# Allegro board ZDRK-36-DE3-A02-20190729.brd (continued)
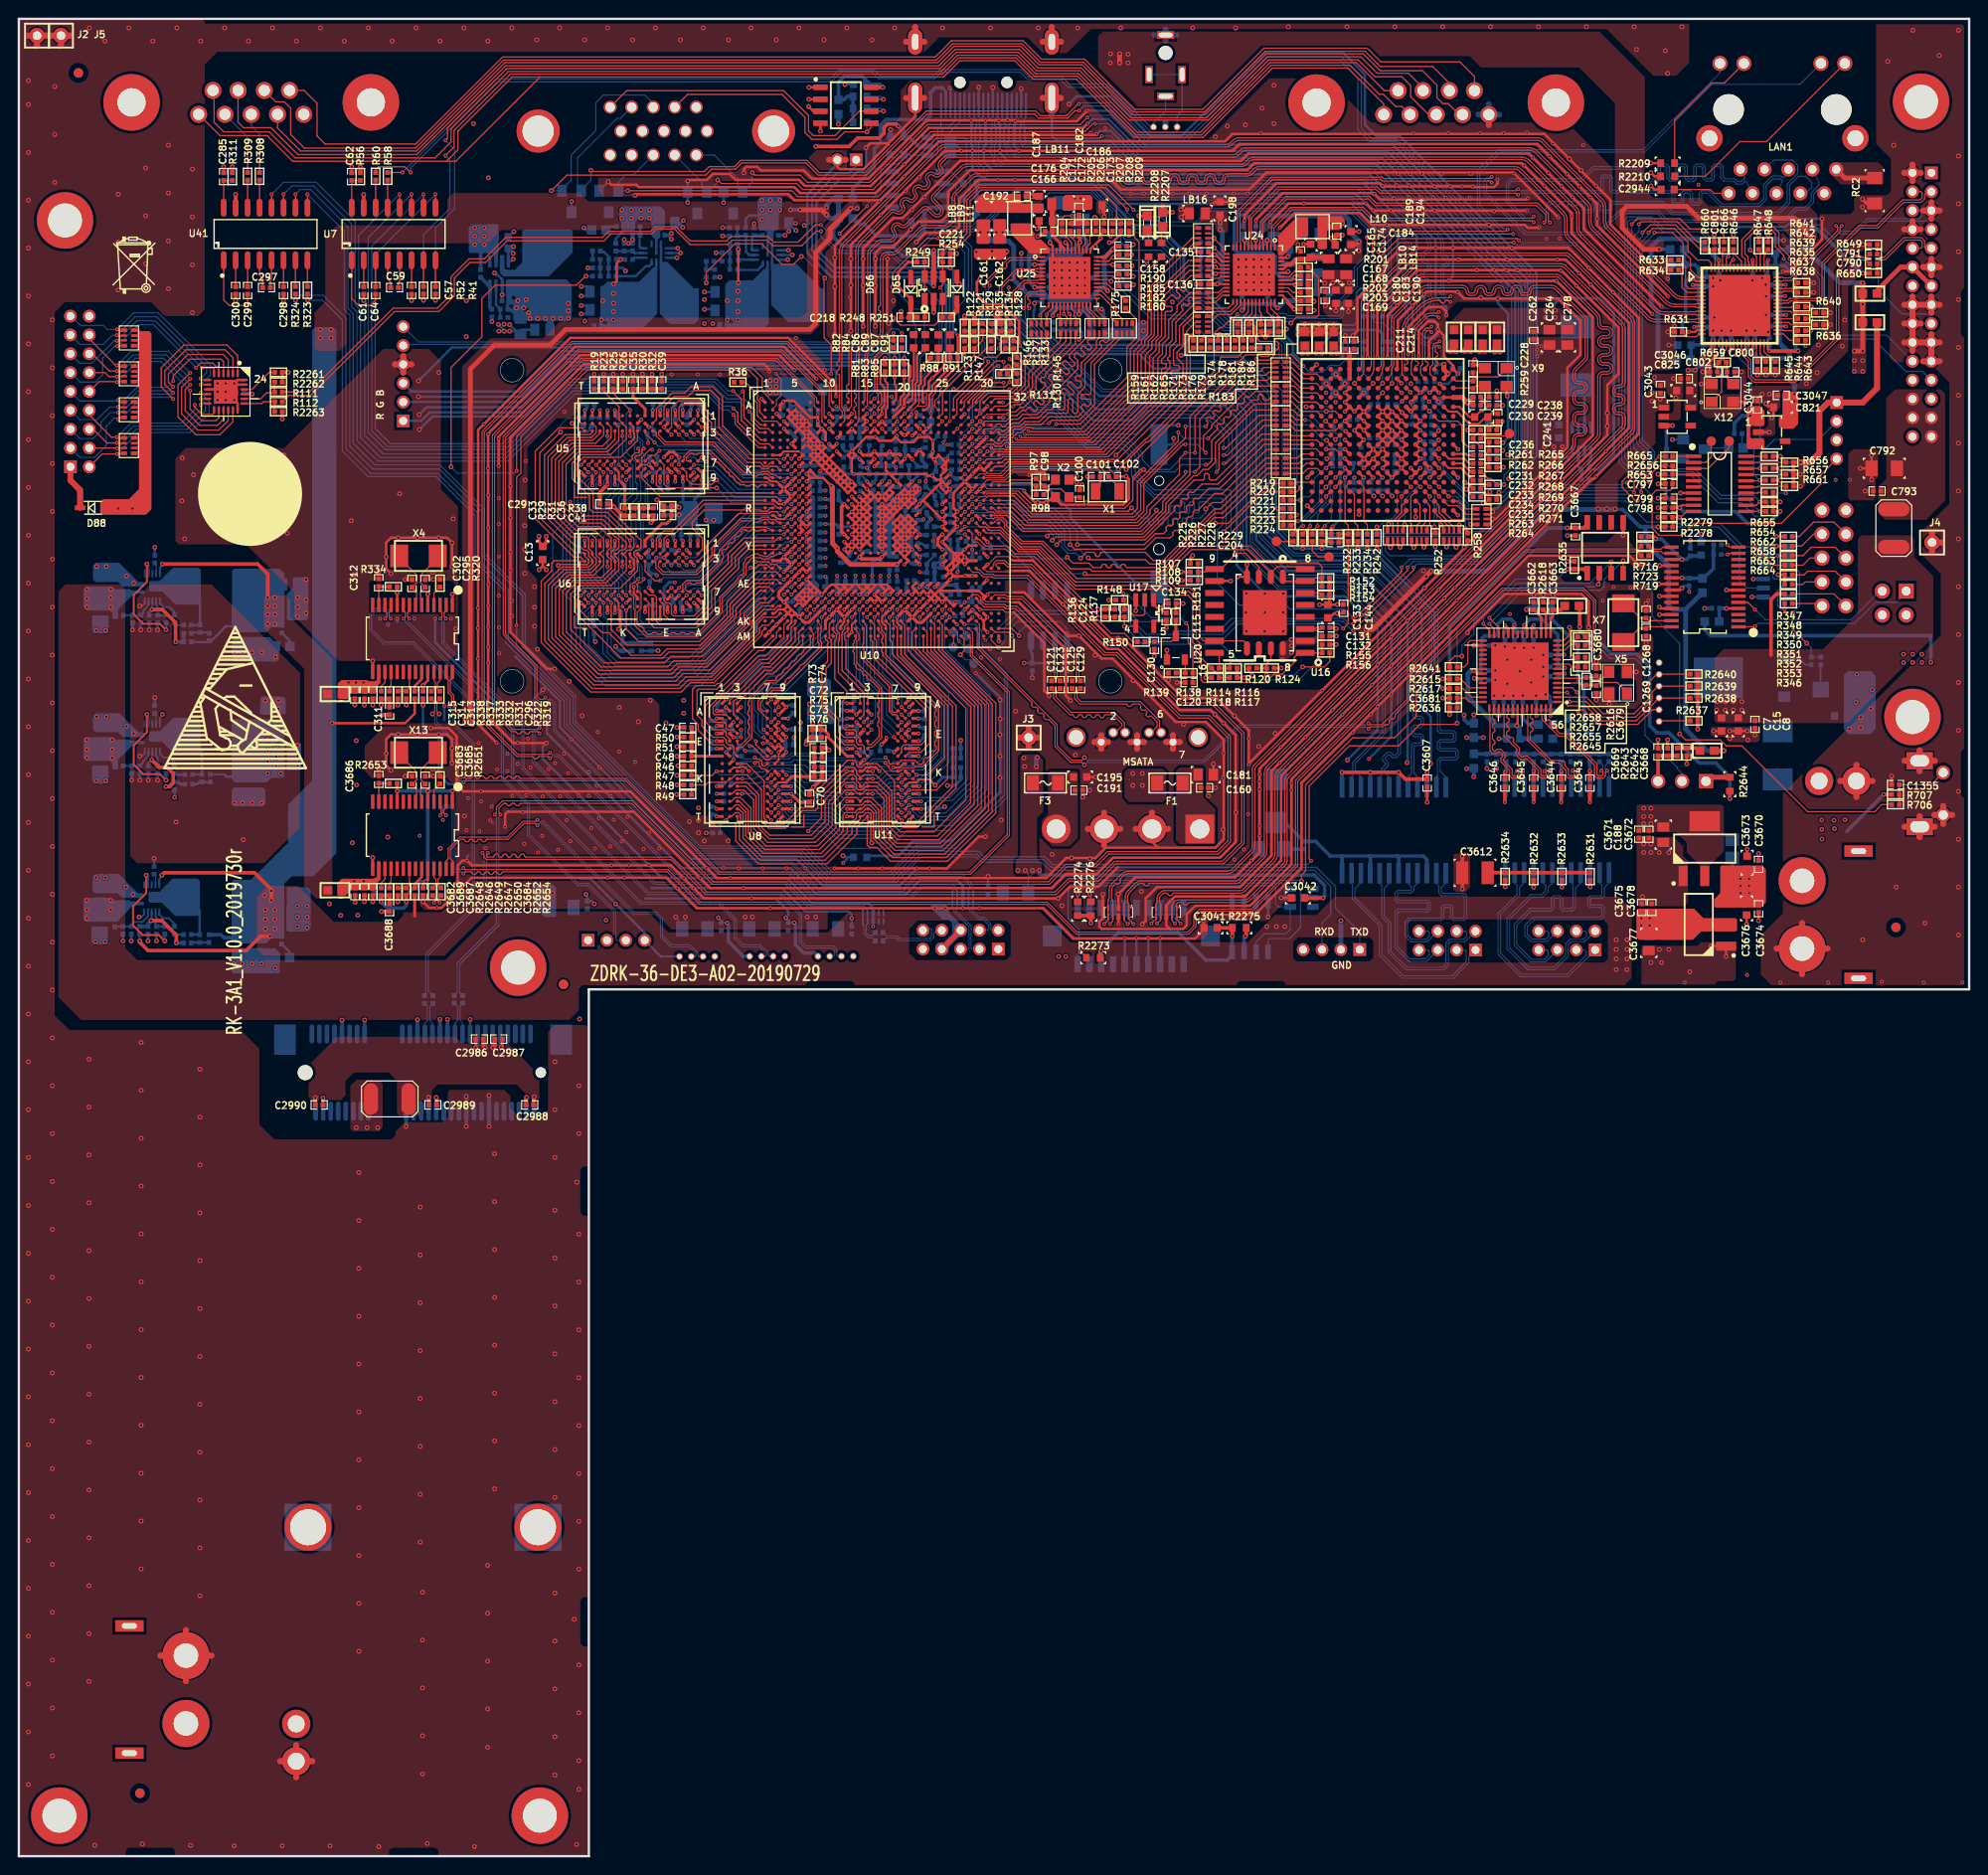
[diagram p0: board, top side]
## Routing (per net, layer and track width the routed paths; a pad name or vN(x,y) marks a point on that pad's centre or on a via; arc(x,y) is an arc through that point) (continued)
GPIO13_5: length 107.5
  TOP w0.127: U10.A27 100.01,154.52 100.66,155.17 100.72,155.17 103.69,158.14 v1(103.99,158.14) ; R111.1 30.84,155.4 39.73,164.29 44.43,164.29 45.87,165.73 45.87,167.61 47.77,169.52 49.4,169.52 51.69,171.81 61.95,171.81 62.59,172.44 67.06,172.44 67.56,172.95 69.72,172.95 71.25,171.42 75.13,171.42 75.62,171.91 79.5,171.91 80.11,171.3 82.7,171.3 84.53,173.13 v1(85.14,173.13)
  BOTTOM w0.127: v1(85.14,173.13) 85.72,172.54 85.72,171.68 87,170.41 92.46,170.41 93.57,169.29 97.05,169.29 98.04,170.28 98.04,171.55 98.6,172.11 99.82,172.11 101.14,170.79 101.14,165.61 101.93,164.82 101.93,161.7 102.84,160.78 102.84,159.79 103.76,158.88 103.76,158.37 v1(103.99,158.14)
GPIO13_6: length 107.3
  TOP w0.127: v1(85.14,172.47) 84.66,172.47 83.11,170.92 80.01,170.92 79.43,171.5 75.69,171.5 75.23,171.04 71.25,171.04 69.6,172.69 67.69,172.69 67.18,172.19 62.87,172.19 62.1,171.42 51.82,171.42 49.53,169.14 47.88,169.14 46.23,167.49 46.23,165.58 44.58,163.93 39.88,163.93 30.96,155.02 28.63,155.02 R112.1 ; U10.B27 100.02,153.49 100.36,153.82 100.36,154.41 102.77,156.82 v1(103.23,156.82)
  BOTTOM w0.127: v1(85.14,172.47) 85.14,171.88 86.92,170.1 92.38,170.1 93.47,169.01 97.28,169.01 98.43,170.15 98.43,171.32 98.93,171.83 99.54,171.83 100.79,170.59 100.79,165.51 100.86,165.43 100.86,162.26 102.49,160.63 102.49,159.72 103.43,158.78 103.43,157.02 v1(103.23,156.82)
GPIO13_7: length 131.2
  TOP w0.127: v2(144.02,171.81) 143.69,171.48 143.69,170.1 144.15,169.65 144.4,169.65 146.43,171.68 159.03,171.68 v1(159.21,171.5) ; v1(118.31,174.75) 115.7,177.37 101.83,177.37 100.33,175.87 100.33,172.54 v1(99.19,171.4) ; v1(173.1,145.77) 173.35,146.02 173.35,146.84 174.07,147.55 R2656.1 ; U10.B26 99.21,154.74 102.9,158.42 v1(102.9,158.62)
  BOTTOM w0.114: v1(173.1,145.77) 172.47,145.77 170.15,148.08 170.15,166.67 165.58,171.25 159.46,171.25 v1(159.21,171.5) ; v1(118.31,174.75) 118.47,174.6 119.15,174.6 119.77,173.98 121.22,173.98 121.74,173.46 124.97,173.46 126.39,174.88 141.3,174.88 144.02,172.16 v2(144.02,171.81)
  BOTTOM w0.127: v1(102.9,158.62) 102.23,159.28 102.23,160.38 99.8,162.81 99.8,164.54 100.41,165.15 100.41,170.18 v1(99.19,171.4)
HDMI_5V_DET: length 129.6
  TOP w0.127: v2(143.13,171.81) 143.12,171.79 143.12,169.76 143.69,169.19 144.53,169.19 146.58,171.25 v1(158.67,171.25) ; U1492.10 177.03,142.72 176.4,142.09 v2(176.25,142.09) R2279.1 R2278.2 ; R249.2 95.33,170.18 96.11,170.97 99.36,170.97 100.63,172.24 100.63,175.77 101.96,177.09 115.32,177.09 v1(117.63,174.78)
  TOP w0.254: R249.2 94.41,169.19 93.34,168.12 93.34,166.57 94.67,165.25 D66.1
  TOP w0.508: D66.1 94.67,163.53 C218.1 R248.2
  BOTTOM w0.114: v1(117.63,174.78) 117.63,174.47 118.53,173.57 121.04,173.57 121.59,173.02 124.92,173.02 126.52,174.62 141.15,174.62 143.12,172.66 143.12,171.82 v2(143.13,171.81) ; v2(176.25,142.09) 174.73,143.61 173.74,143.61 173.1,144.25 173.1,144.63 169.85,147.88 169.85,166.5 165.4,170.94 158.98,170.94 v1(158.67,171.25)
HDMI_7842_5V: length 217.2
  TOP w0.127: v2(88.27,174.85) 88.95,174.85 v2(88.98,174.88)
  TOP w0.381: v2(128.8,97.64) R2275.1 C3041.2 ; R2274.1 R2276.1 v2(113.79,99.03) ; v2(114.88,96.06) 114.78,95.96 R2273.1
  TOP w0.508: v2(48.13,120.12) v2(48.13,120.75) 48.13,120.98 47.93,121.18 47.93,157.84 50.47,160.38 56.39,160.38 58.04,162.03 83.95,162.03 84.58,162.66 84.58,170.21 86.08,171.7 86.08,172.67 v2(88.27,174.85)
  BOTTOM w0.127: LB143.1 88.52,175.11 v2(88.27,174.85) 88.27,174.09 LB144.1
  BOTTOM w0.254: 98.13,187.55 98.39,187.3 J49.18
  BOTTOM w0.305: R1120.1 101.8,177.42 114.1,177.42 118.41,173.1 120.85,173.1 123.65,170.31 123.65,166.47 124.28,165.84 126.04,165.84 128.73,163.14 131.5,163.14 132.13,162.51 133.25,162.51 135.23,160.53 135.23,159.54 135.92,158.85 140.16,158.85 140.47,159.17 140.47,160.57 140.21,160.83 140.21,161.65 140.54,161.98 144.32,161.98 144.75,161.54 R236.1
  BOTTOM w0.381: C2378.2 96.08,174.41 96.65,174.98 U58.8 ; C2378.2 100.97,173.46 101.7,174.19 R1119.1 R1121.1 R1120.1 ; C2378.2 96.08,172.5 95.53,171.96 91.03,171.96 89.79,173.2 89.15,173.2 LB144.1 ; LB143.1 88.52,176.99 90.81,179.27 90.81,181.2 91.44,181.84 91.44,183.69 92.05,184.3 96.32,184.3 96.77,184.76 96.77,187.17 97.28,187.68 98.01,187.68 98.13,187.55 ; 115.44,96.75 116.71,98.02 123.06,98.02 125.98,95.1 128.27,95.1 128.78,95.61 U107.8 128.78,97.61 v2(128.8,97.64) ; R236.1 R241.1
  vias: v2(47.4,120.73) v2(110.36,95.48) v2(111.12,95.48)
HDMI_7842_HPD: length 211.2
  TOP w0.127: v1(131.34,158.9) 131.47,158.78 132.69,158.78 133.27,159.36 135.08,159.36 136.3,158.14 v1(136.35,158.14) ; v2(136.14,103.48) 136.14,104.11 136.58,104.55 136.58,113.69 141.58,118.69 146.02,118.69 148.34,121.01 148.34,123.67 v2(150.62,125.96) ; v2(112.65,95.99) 112.67,95.99 R2273.2 ; v1(90.03,175.12) v1(87.12,172.21)
  BOTTOM w0.127: J49.19 97.89,183.59 97.54,183.24 97.54,180.7 97.35,180.51 U75.4 94.02,180.51 R2211.1 93.95,180.31 93.17,179.53 91.85,179.53 91.49,179.17 91.49,176.78 90.03,175.32 v1(90.03,175.12) ; R235.1 R2277.1 141.17,160.73 141.05,160.6 141.05,159.08 140.18,158.22 139.14,158.22 138.4,157.48 137.01,157.48 v1(136.35,158.14) 135.81,158.14 134.75,159.21 134.75,160.5 133.17,162.08 131.98,162.08 131.29,162.76 128.57,162.76 125.88,165.46 124.05,165.46 123.27,166.24 123.27,170.03 120.57,172.72 118.26,172.72 113.92,177.06 105.97,177.06 102.49,173.58 101.75,173.58 101.14,172.97 97.66,172.97 95.1,170.41 93.78,170.41 92.76,171.42 87.91,171.42 v1(87.12,172.21) ; v1(131.34,158.9) 131.34,158.24 134.11,155.47 134.11,140.61 135.25,139.47 144.3,139.47 144.68,139.09 144.68,138.23 150.62,132.28 v2(150.62,125.96) ; J130.20 112.38,95.72 v2(112.65,95.99) 112.52,96.11 112.52,98.32 111.38,99.47 111.38,102.46 112.5,103.58 136.04,103.58 v2(136.14,103.48)
HDMI_7842_TX0+: length 72.3
  TOP w0.114: v1(149.94,162.34) 149.86,162.26 arc(149.78,162.21) 149.69,162.19 149.57,162.19 arc(149.41,162.16) 149.27,162.07 149.16,161.95 arc(149.03,161.77) 148.99,161.55 148.99,158.39 arc(148.98,158.34) 148.95,158.3 148.83,158.18 arc(148.8,158.14) 148.79,158.09 148.79,157.49 arc(148.83,157.29) 148.94,157.13 U32.B13
  BOTTOM w0.114: J49.7 103.89,184.69 arc(103.88,184.65) 103.85,184.61 103.61,184.37 arc(103.59,184.34) 103.58,184.29 103.58,183.69 arc(103.59,183.65) 103.61,183.61 103.68,183.54 arc(103.71,183.5) 103.72,183.46 U62.8 U62.1 103.72,181.89 arc(103.7,181.81) 103.65,181.74 103.63,181.72 arc(103.59,181.65) 103.57,181.56 103.57,180.5 arc(103.58,180.45) 103.61,180.41 104.39,179.63 arc(104.43,179.6) 104.48,179.59 114.45,179.59 arc(114.84,179.51) 115.17,179.29 117.23,177.23 arc(117.33,177.16) 117.45,177.14 141.9,177.14 arc(142.3,177.06) 142.65,176.83 146.94,172.54 arc(147.06,172.36) 147.1,172.14 147.1,171.61 arc(147.2,171.36) 147.45,171.26 arc(147.77,171.13) 147.9,170.81 147.9,170.44 arc(147.79,170.16) 147.5,170.04 147.45,170.04 arc(147.1,169.7) 147.45,169.36 arc(147.79,169.22) 147.93,168.87 147.93,168.56 arc(147.8,168.26) 147.5,168.14 147.45,168.14 arc(147.2,168.04) 147.1,167.8 147.1,166.62 arc(147.13,166.5) 147.19,166.4 148.52,165.07 arc(148.65,164.89) 148.69,164.67 148.69,162.94 arc(148.71,162.82) 148.78,162.72 149.26,162.24 arc(149.36,162.18) 149.48,162.15 149.63,162.15 arc(149.74,162.18) 149.84,162.24 v1(149.94,162.34)
HDMI_7842_TX0-: length 72.3
  TOP w0.114: v1(149.94,161.73) 149.83,161.85 arc(149.74,161.9) 149.64,161.93 149.57,161.93 arc(149.51,161.91) 149.46,161.88 149.34,161.76 arc(149.28,161.67) 149.25,161.55 149.25,158.76 arc(149.3,158.65) 149.42,158.6 arc(149.53,158.55) 149.58,158.44 149.58,158.31 arc(149.53,158.19) 149.42,158.14 arc(149.3,158.1) 149.25,157.98 U32.A13
  BOTTOM w0.114: v1(149.94,161.73) 149.86,161.82 arc(149.78,161.87) 149.69,161.89 149.48,161.89 arc(149.26,161.93) 149.07,162.05 148.59,162.54 arc(148.47,162.72) 148.42,162.94 148.42,164.67 arc(148.4,164.79) 148.34,164.88 147.01,166.22 arc(146.88,166.4) 146.84,166.62 146.84,167.8 arc(147.02,168.23) 147.45,168.4 147.5,168.4 arc(147.62,168.45) 147.66,168.56 147.66,168.87 arc(147.6,169.03) 147.45,169.09 arc(146.84,169.7) 147.45,170.31 147.5,170.31 arc(147.6,170.35) 147.64,170.44 147.64,170.81 arc(147.58,170.94) 147.45,171 arc(147.02,171.17) 146.84,171.61 146.84,172.14 arc(146.81,172.25) 146.75,172.35 142.46,176.64 arc(142.2,176.81) 141.9,176.87 117.45,176.87 arc(117.23,176.92) 117.04,177.04 114.98,179.1 arc(114.73,179.27) 114.45,179.32 104.48,179.32 arc(104.33,179.35) 104.2,179.44 104.09,179.55 arc(103.97,179.6) 103.86,179.55 103.84,179.54 arc(103.71,179.48) 103.57,179.54 103.52,179.59 arc(103.46,179.73) 103.52,179.86 arc(103.57,179.99) 103.52,180.13 103.42,180.22 arc(103.33,180.35) 103.3,180.5 103.3,180.65 arc(103.26,180.75) 103.16,180.79 arc(103.05,180.84) 103,180.95 103,181.08 arc(103.05,181.2) 103.16,181.24 arc(103.26,181.28) 103.3,181.38 103.3,181.64 arc(103.29,181.68) 103.27,181.72 103.25,181.74 arc(103.23,181.78) 103.22,181.82 U62.2 U62.7 103.22,183.46 arc(103.22,183.5) 103.25,183.54 103.27,183.56 arc(103.29,183.59) 103.3,183.64 103.3,184.18 arc(103.29,184.22) 103.27,184.26 102.92,184.61 arc(102.9,184.64) 102.89,184.69 J49.9
HDMI_7842_TX1+: length 72.3
  TOP w0.114: U32.B12 147.83,157.24 arc(147.8,157.29) 147.79,157.33 147.79,158.5 arc(147.8,158.55) 147.83,158.59 147.88,158.65 arc(147.91,158.69) 147.92,158.74 147.92,161.56 arc(148.03,162.12) 148.34,162.59 149.34,163.59 arc(149.52,163.71) 149.74,163.75 150.5,163.75 arc(150.58,163.77) 150.65,163.82 v1(150.72,163.89)
  BOTTOM w0.114: v1(150.72,163.89) 150.63,163.8 arc(150.54,163.74) 150.44,163.72 arc(150.24,163.81) 150.15,164.01 150.15,165.08 arc(150.11,165.27) 150.01,165.44 arc(149.9,165.6) 149.86,165.79 149.86,166.84 arc(149.68,167.28) 149.25,167.45 arc(149.14,167.5) 149.1,167.61 149.1,167.99 arc(149.14,168.09) 149.25,168.14 arc(149.86,168.75) 149.25,169.36 arc(149.17,169.39) 149.14,169.47 149.14,169.93 arc(149.17,170.01) 149.25,170.04 arc(149.68,170.22) 149.86,170.65 149.86,171.14 arc(149.8,171.45) 149.62,171.72 143.62,177.72 arc(143.19,178.01) 142.69,178.1 118.42,178.1 arc(117.82,178.22) 117.32,178.56 115.67,180.21 arc(115.27,180.48) 114.8,180.57 106.2,180.57 arc(105.91,180.63) 105.67,180.79 104.98,181.48 arc(104.95,181.52) 104.94,181.57 104.94,181.7 arc(104.95,181.77) 104.99,181.83 105.01,181.85 arc(105.05,181.91) 105.06,181.98 U63.3 U63.6 105.06,183.61 arc(105.09,183.74) 105.16,183.85 105.16,183.85 arc(105.33,184.1) 105.39,184.39 J49.4
HDMI_7842_TX1-: length 72.4
  TOP w0.114: v1(150.72,163.28) 150.58,163.42 150.57,163.42 150.5,163.49 149.74,163.49 arc(149.62,163.46) 149.53,163.4 148.53,162.41 arc(148.27,162.02) 148.18,161.56 148.18,158.84 arc(148.24,158.71) 148.36,158.66 arc(148.49,158.61) 148.54,158.48 148.54,158.38 arc(148.49,158.26) 148.36,158.2 148.34,158.2 arc(148.23,158.16) 148.18,158.05 148.18,157.89 U32.A12
  BOTTOM w0.114: v1(150.72,163.28) 150.63,163.38 arc(150.54,163.44) 150.44,163.46 arc(150.05,163.62) 149.89,164.01 149.89,164.12 arc(149.84,164.22) 149.75,164.26 arc(149.65,164.3) 149.61,164.4 149.61,164.58 arc(149.65,164.67) 149.75,164.72 arc(149.84,164.76) 149.89,164.86 149.89,165.08 arc(149.87,165.17) 149.82,165.25 arc(149.65,165.5) 149.59,165.79 149.59,166.84 arc(149.49,167.09) 149.25,167.19 arc(148.95,167.31) 148.83,167.61 148.83,167.99 arc(148.95,168.28) 149.25,168.41 arc(149.59,168.75) 149.25,169.09 arc(148.98,169.2) 148.87,169.47 148.87,169.93 arc(148.98,170.2) 149.25,170.31 arc(149.49,170.41) 149.59,170.65 149.59,171.14 149.43,171.53 arc(149.43,171.53) 149.42,171.54 143.43,177.53 arc(143.09,177.76) 142.69,177.84 118.42,177.84 arc(117.72,177.98) 117.13,178.37 115.48,180.02 arc(115.17,180.23) 114.8,180.3 106.2,180.3 arc(105.81,180.38) 105.48,180.6 arc(105.34,180.66) 105.21,180.6 arc(105.09,180.55) 104.97,180.6 104.89,180.68 arc(104.84,180.81) 104.89,180.93 arc(104.94,181.06) 104.89,181.19 104.79,181.29 arc(104.7,181.42) 104.67,181.57 104.67,181.72 arc(104.66,181.78) 104.63,181.83 104.61,181.85 arc(104.58,181.9) 104.56,181.96 U63.4 U63.5 104.56,183.27 arc(104.59,183.42) 104.68,183.54 104.72,183.58 arc(104.74,183.62) 104.75,183.66 104.75,183.8 arc(104.74,183.84) 104.72,183.88 104.66,183.94 arc(104.58,184.06) 104.55,184.21 104.55,184.25 arc(104.54,184.3) 104.51,184.34 104.5,184.35 arc(104.42,184.47) 104.39,184.62 J49.6
HDMI_7842_TX2+: length 72.4
  TOP w0.114: v1(151.97,165.54) 151.88,165.46 arc(151.81,165.41) 151.72,165.39 150.66,165.39 arc(149.56,165.17) 148.63,164.55 147.47,163.39 arc(146.98,162.66) 146.81,161.8 146.81,157.31 arc(146.82,157.26) 146.85,157.23 U32.B11
  BOTTOM w0.114: J49.1 106.89,184.56 arc(106.88,184.51) 106.85,184.48 106.69,184.31 arc(106.66,184.27) 106.65,184.23 106.65,183.75 arc(106.67,183.65) 106.73,183.57 arc(106.76,183.53) 106.76,183.49 U63.8 U63.1 106.76,182.07 arc(106.76,182.03) 106.73,181.99 106.71,181.97 arc(106.69,181.93) 106.68,181.89 106.68,181.85 arc(106.69,181.78) 106.73,181.72 106.76,181.69 arc(106.79,181.67) 106.84,181.66 115.28,181.66 arc(115.71,181.58) 116.07,181.34 117.96,179.44 arc(118.32,179.21) 118.74,179.12 143.18,179.12 arc(143.79,179) 144.31,178.65 150.75,172.21 arc(151.11,171.68) 151.23,171.04 151.23,169.93 arc(151.25,169.89) 151.3,169.87 arc(151.63,169.73) 151.77,169.4 151.77,169.12 arc(151.63,168.79) 151.3,168.65 arc(151.25,168.63) 151.23,168.59 151.23,165.79 arc(151.35,165.51) 151.63,165.39 151.72,165.39 arc(151.81,165.41) 151.88,165.46 v1(151.97,165.54)
HDMI_7842_TX2-: length 72.4
  TOP w0.114: U32.A11 147.11,157.96 arc(147.09,158) 147.08,158.04 147.08,158.16 arc(147.13,158.28) 147.25,158.33 147.25,158.33 arc(147.37,158.38) 147.42,158.5 147.42,158.62 arc(147.37,158.74) 147.25,158.79 arc(147.13,158.84) 147.08,158.96 147.08,161.8 arc(147.23,162.56) 147.66,163.21 148.81,164.36 arc(149.66,164.93) 150.66,165.13 150.8,165.13 arc(150.89,165.09) 150.93,165 arc(150.96,164.91) 151.05,164.87 151.26,164.87 arc(151.35,164.91) 151.38,165 arc(151.42,165.09) 151.51,165.13 151.65,165.13 arc(151.77,165.1) 151.87,165.04 v1(151.97,164.93)
  BOTTOM w0.114: J49.3 105.89,184.66 arc(105.9,184.62) 105.92,184.58 106.34,184.16 arc(106.37,184.12) 106.38,184.08 106.38,183.69 arc(106.37,183.65) 106.34,183.61 106.3,183.56 arc(106.27,183.53) 106.26,183.48 U63.7 U63.2 106.26,182.1 arc(106.27,182.06) 106.3,182.02 106.38,181.94 arc(106.4,181.9) 106.41,181.86 106.41,181.85 arc(106.44,181.68) 106.54,181.53 106.57,181.51 arc(106.69,181.42) 106.84,181.39 115.28,181.39 arc(115.61,181.33) 115.88,181.15 117.77,179.26 arc(118.22,178.96) 118.74,178.85 143.18,178.85 arc(143.69,178.75) 144.12,178.46 150.56,172.03 arc(150.86,171.58) 150.96,171.04 150.96,169.93 arc(151.06,169.7) 151.3,169.6 arc(151.44,169.54) 151.5,169.4 151.5,169.12 arc(151.44,168.97) 151.3,168.92 arc(151.06,168.82) 150.96,168.59 150.96,166.46 arc(150.93,166.38) 150.86,166.35 arc(150.76,166.31) 150.72,166.22 150.72,166.03 arc(150.76,165.93) 150.86,165.9 arc(150.93,165.86) 150.96,165.79 arc(151.16,165.32) 151.63,165.13 151.65,165.13 arc(151.77,165.1) 151.87,165.04 v1(151.97,164.93)
HDMI_7842_TXC+: length 72.3
  TOP w0.114: U32.B14 149.82,157.25 arc(149.79,157.29) 149.78,157.34 149.78,157.96 arc(149.79,158.01) 149.82,158.05 150.04,158.27 arc(150.07,158.31) 150.08,158.36 150.08,160.18 arc(150.1,160.32) 150.19,160.45 150.23,160.49 arc(150.36,160.57) 150.51,160.6 150.58,160.6 arc(150.63,160.61) 150.67,160.64 v1(150.8,160.77)
  BOTTOM w0.114: v1(150.8,160.77) 150.7,160.67 arc(150.6,160.6) 150.49,160.58 149.4,160.58 arc(149.29,160.6) 149.19,160.67 149.11,160.75 147.67,162.19 arc(147.5,162.43) 147.45,162.72 147.45,164.04 arc(147.37,164.41) 147.16,164.72 145.93,165.96 arc(145.72,166.27) 145.64,166.64 145.64,171.63 arc(145.56,172.05) 145.32,172.41 141.89,175.84 arc(141.64,176) 141.35,176.06 117.05,176.06 arc(116.93,176.08) 116.84,176.15 114.58,178.4 arc(114.39,178.53) 114.17,178.57 103.11,178.57 arc(102.99,178.6) 102.9,178.66 102.08,179.48 arc(102.08,179.48) 102.08,179.48 101.97,179.59 arc(101.9,179.69) 101.88,179.81 101.88,181.81 arc(101.9,181.88) 101.94,181.95 101.96,181.97 arc(102,182.03) 102.02,182.11 U62.3 U62.6 102.02,183.58 arc(102.01,183.63) 101.98,183.67 101.96,183.68 arc(101.94,183.72) 101.93,183.77 101.93,184.18 arc(101.94,184.23) 101.96,184.27 102.28,184.58 arc(102.36,184.7) 102.39,184.85 J49.10
HDMI_7842_TXC-: length 72.2
  TOP w0.114: v1(150.8,160.16) 150.66,160.3 arc(150.62,160.33) 150.57,160.34 150.51,160.34 arc(150.46,160.33) 150.42,160.3 150.38,160.26 arc(150.35,160.22) 150.34,160.18 150.34,159.72 arc(150.38,159.63) 150.47,159.59 arc(150.56,159.55) 150.6,159.46 150.6,159.26 arc(150.56,159.17) 150.47,159.13 150.47,159.13 arc(150.38,159.1) 150.34,159.01 150.34,158.8 arc(150.38,158.71) 150.47,158.68 150.47,158.68 arc(150.56,158.64) 150.6,158.55 150.6,158.35 arc(150.56,158.26) 150.47,158.22 arc(150.38,158.18) 150.34,158.09 150.34,157.91 U32.A14
  BOTTOM w0.114: J49.12 101.39,184.7 arc(101.42,184.55) 101.5,184.43 101.63,184.3 arc(101.65,184.26) 101.66,184.22 101.66,183.68 arc(101.65,183.63) 101.63,183.6 101.55,183.52 arc(101.52,183.48) 101.52,183.43 U62.5 U62.4 101.52,182.06 arc(101.53,182) 101.56,181.96 101.57,181.94 arc(101.6,181.9) 101.61,181.84 101.61,179.81 arc(101.66,179.59) 101.78,179.4 101.89,179.3 arc(101.92,179.21) 101.89,179.12 arc(101.84,179.01) 101.89,178.91 102.01,178.79 arc(102.11,178.75) 102.21,178.79 arc(102.3,178.83) 102.39,178.79 102.71,178.48 arc(102.89,178.35) 103.11,178.31 114.17,178.31 arc(114.29,178.28) 114.39,178.21 116.65,175.96 arc(116.83,175.84) 117.05,175.79 141.35,175.79 arc(141.54,175.76) 141.7,175.65 145.13,172.22 arc(145.31,171.95) 145.38,171.63 145.38,166.64 arc(145.47,166.17) 145.74,165.77 146.97,164.54 arc(147.13,164.31) 147.18,164.04 147.18,162.72 arc(147.26,162.33) 147.48,162 149,160.48 arc(149.18,160.36) 149.4,160.31 149.55,160.31 arc(149.65,160.27) 149.69,160.18 arc(149.73,160.07) 149.84,160.02 149.98,160.02 arc(150.1,160.07) 150.14,160.18 arc(150.18,160.27) 150.28,160.31 150.55,160.31 arc(150.64,160.29) 150.72,160.24 v1(150.8,160.16)
HDMI_B_TX0+: length 132.1
  TOP w0.114: v1(117.7,98.92) 117.35,99.28 arc(117.32,99.32) 117.31,99.37 U110.7 U110.2 117.31,101.04 arc(117.33,101.1) 117.36,101.15 117.4,101.19 arc(117.42,101.22) 117.43,101.27 117.43,101.72 arc(117.51,102.15) 117.76,102.51 118.48,103.24 arc(118.76,103.43) 119.1,103.49 129.16,103.49 arc(129.32,103.52) 129.44,103.61 132.06,106.23 arc(132.16,106.37) 132.19,106.54 132.19,114.95 arc(132.25,115.26) 132.4,115.54 132.4,115.55 167.4,150.56 arc(167.53,150.75) 167.58,150.98 167.58,156.95 arc(167.76,157.38) 168.19,157.56 168.58,157.56 arc(168.92,157.9) 168.58,158.24 168.19,158.24 arc(167.58,158.85) 168.19,159.46 168.55,159.46 arc(168.9,159.8) 168.55,160.15 168.19,160.15 arc(167.58,160.76) 168.19,161.37 168.55,161.37 arc(168.9,161.71) 168.55,162.05 168.19,162.05 arc(167.76,162.23) 167.58,162.66 167.58,163.12 arc(167.53,163.37) 167.39,163.57 163.41,167.55 arc(163.34,167.6) 163.26,167.61 148.97,167.61 arc(148.74,167.57) 148.54,167.44 145.04,163.94 arc(144.91,163.75) 144.87,163.52 144.87,163.52 144.87,158.24 arc(144.84,158.07) 144.74,157.93 arc(144.71,157.88) 144.7,157.84 144.7,157.63 arc(144.63,157.29) 144.44,157 U32.B8
  BOTTOM w0.114: v1(117.7,98.92) 117.84,99.06 arc(117.87,99.1) 117.87,99.14 117.87,99.31 arc(117.85,99.42) 117.79,99.52 117.49,99.81 arc(117.41,99.94) 117.38,100.08 J130.11
HDMI_B_TX0-: length 132.1
  TOP w0.114: U32.A8 144.55,158.11 arc(144.59,158.17) 144.6,158.24 144.6,163.52 arc(144.67,163.85) 144.85,164.13 148.35,167.63 arc(148.63,167.82) 148.97,167.88 163.26,167.88 arc(163.44,167.84) 163.6,167.74 167.58,163.76 arc(167.77,163.47) 167.84,163.12 167.84,162.66 arc(167.94,162.42) 168.19,162.32 168.55,162.32 arc(169.16,161.71) 168.55,161.1 168.19,161.1 arc(167.84,160.76) 168.19,160.41 168.55,160.41 arc(169.16,159.8) 168.55,159.19 168.19,159.19 arc(167.84,158.85) 168.19,158.51 168.58,158.51 arc(169.19,157.9) 168.58,157.29 168.19,157.29 arc(167.94,157.19) 167.84,156.95 167.84,150.98 arc(167.78,150.65) 167.59,150.37 132.66,115.44 132.66,115.44 arc(132.63,115.41) 132.61,115.38 arc(132.5,115.18) 132.46,114.95 132.46,106.54 arc(132.41,106.27) 132.25,106.04 129.63,103.42 arc(129.42,103.28) 129.16,103.23 120.02,103.23 arc(119.94,103.19) 119.91,103.11 arc(119.88,103.03) 119.79,103 119.57,103 arc(119.49,103.03) 119.45,103.11 arc(119.42,103.19) 119.34,103.23 119.1,103.23 arc(118.87,103.18) 118.67,103.05 117.95,102.32 arc(117.76,102.05) 117.7,101.72 117.7,101.3 arc(117.71,101.25) 117.73,101.22 117.78,101.17 arc(117.8,101.13) 117.81,101.09 U110.1 U110.8 117.81,99.48 arc(117.82,99.43) 117.85,99.39 v1(118.31,98.92)
  BOTTOM w0.114: v1(118.31,98.92) 118.17,99.06 arc(118.15,99.1) 118.14,99.14 118.14,99.36 arc(118.16,99.43) 118.2,99.49 118.52,99.81 arc(118.6,99.94) 118.63,100.08 J130.9
HDMI_B_TX1+: length 132.1
  TOP w0.114: U32.B7 143.25,156.82 143.43,157 arc(143.71,157.41) 143.81,157.9 143.81,164.06 arc(143.85,164.26) 143.97,164.44 148.16,168.63 arc(148.28,168.71) 148.44,168.74 163.68,168.74 arc(163.86,168.71) 164.01,168.61 169.99,162.63 arc(170.19,162.33) 170.26,161.99 170.26,156.47 arc(170.16,156.23) 169.91,156.13 169.77,156.13 arc(169.34,155.95) 169.16,155.52 169.16,155.45 arc(169.32,155.07) 169.71,154.91 169.91,154.91 arc(170.26,154.56) 169.91,154.22 169.77,154.22 arc(169.34,154.04) 169.16,153.61 169.16,153.55 arc(169.32,153.16) 169.71,153 169.91,153 arc(170.16,152.9) 170.26,152.66 170.26,152.1 arc(170.22,151.89) 170.1,151.71 170.05,151.66 133.62,115.23 arc(133.41,114.92) 133.34,114.55 133.34,106.47 arc(133.25,106.02) 132.99,105.63 130.01,102.65 arc(129.82,102.52) 129.6,102.48 121.61,102.48 arc(121.4,102.43) 121.21,102.31 120.98,102.08 arc(120.85,101.89) 120.81,101.67 120.81,101.29 arc(120.8,101.23) 120.76,101.17 120.74,101.15 arc(120.71,101.1) 120.69,101.03 U109.4 U109.5 120.69,99.51 arc(120.68,99.47) 120.66,99.43 v1(120.2,98.98)
  BOTTOM w0.114: v1(120.2,98.98) 120.34,99.11 arc(120.37,99.15) 120.37,99.19 120.37,99.31 arc(120.37,99.36) 120.34,99.39 120.01,99.72 arc(119.92,99.87) 119.88,100.03 J130.7
HDMI_B_TX1-: length 132.1
  TOP w0.114: U32.A7 143.47,158.04 arc(143.52,158.11) 143.54,158.2 143.54,164.06 arc(143.6,164.37) 143.78,164.63 147.97,168.82 arc(148.18,168.96) 148.44,169.01 163.68,169.01 arc(163.96,168.96) 164.19,168.8 170.18,162.81 arc(170.43,162.43) 170.52,161.99 170.52,156.47 arc(170.34,156.04) 169.91,155.86 169.77,155.86 arc(169.53,155.76) 169.43,155.52 169.43,155.45 arc(169.51,155.26) 169.71,155.17 169.91,155.17 arc(170.52,154.56) 169.91,153.95 169.77,153.95 arc(169.53,153.85) 169.43,153.61 169.43,153.55 arc(169.51,153.35) 169.71,153.27 169.91,153.27 arc(170.34,153.09) 170.52,152.66 170.52,152.1 arc(170.46,151.78) 170.28,151.51 133.81,115.04 arc(133.66,114.82) 133.6,114.55 133.6,106.33 arc(133.52,105.9) 133.27,105.54 130.2,102.46 arc(129.92,102.27) 129.6,102.21 122.57,102.21 arc(122.48,102.17) 122.44,102.08 arc(122.4,101.99) 122.31,101.96 122.11,101.96 arc(122.02,101.99) 121.98,102.08 arc(121.95,102.17) 121.86,102.21 121.61,102.21 arc(121.5,102.19) 121.4,102.12 121.17,101.89 arc(121.1,101.79) 121.08,101.67 121.08,101.29 arc(121.09,101.23) 121.13,101.17 121.14,101.15 arc(121.18,101.1) 121.19,101.03 U109.3 U109.6 121.19,99.4 arc(121.18,99.36) 121.16,99.32 v1(120.81,98.98)
  BOTTOM w0.114: J130.5 121.13,100.06 arc(121.09,99.86) 120.98,99.7 120.67,99.39 arc(120.65,99.35) 120.64,99.31 120.64,99.22 arc(120.65,99.15) 120.69,99.1 v1(120.81,98.98)
HDMI_B_TX2+: length 132.2
  TOP w0.114: v1(122.7,98.98) 122.46,99.22 arc(122.41,99.29) 122.39,99.39 U109.7 U109.2 122.39,100.85 arc(122.4,100.89) 122.43,100.93 122.46,100.96 arc(122.51,101.04) 122.53,101.14 122.53,101.16 arc(122.54,101.21) 122.56,101.25 122.58,101.26 arc(122.83,101.43) 123.12,101.49 130.03,101.49 arc(130.34,101.55) 130.61,101.73 134.19,105.3 arc(134.31,105.49) 134.35,105.7 134.35,114.02 arc(134.43,114.41) 134.65,114.73 171.09,151.17 arc(171.21,151.36) 171.26,151.59 171.26,162.58 arc(171.19,162.95) 170.98,163.26 164.46,169.78 164.46,169.78 arc(164.45,169.79) 164.45,169.79 arc(164.33,169.86) 164.2,169.89 147.83,169.89 arc(147.67,169.86) 147.54,169.77 142.91,165.14 arc(142.89,165.12) 142.87,165.09 142.86,165.08 arc(142.78,164.92) 142.75,164.74 142.75,157.61 arc(142.69,157.33) 142.54,157.1 U32.B6
  BOTTOM w0.114: v1(122.7,98.98) 122.84,99.11 arc(122.87,99.15) 122.87,99.19 122.87,99.26 arc(122.86,99.34) 122.81,99.41 122.49,99.73 arc(122.41,99.85) 122.38,100 J130.3
HDMI_B_TX2-: length 132.2
  TOP w0.114: v1(123.31,98.98) 122.93,99.36 arc(122.9,99.4) 122.89,99.44 U109.8 U109.1 122.89,100.68 arc(122.88,100.73) 122.86,100.76 arc(122.83,100.8) 122.83,100.84 122.83,100.9 arc(122.92,101.13) 123.14,101.22 123.52,101.22 arc(123.6,101.19) 123.64,101.1 arc(123.68,100.99) 123.8,100.94 123.93,100.94 arc(124.04,100.99) 124.09,101.1 arc(124.13,101.19) 124.21,101.22 130.03,101.22 arc(130.45,101.3) 130.8,101.54 134.38,105.12 arc(134.56,105.39) 134.62,105.7 134.62,114.02 arc(134.68,114.31) 134.84,114.55 171.27,150.98 arc(171.46,151.26) 171.53,151.59 171.53,162.58 arc(171.43,163.05) 171.17,163.45 164.63,169.99 164.63,169.99 arc(164.43,170.11) 164.2,170.15 147.83,170.15 arc(147.57,170.1) 147.35,169.95 142.65,165.26 142.65,165.24 arc(142.52,165.01) 142.48,164.74 142.48,158.19 arc(142.45,158.06) 142.38,157.94 U32.A6
  BOTTOM w0.114: J130.1 123.63,100.01 arc(123.61,99.87) 123.53,99.75 123.17,99.4 arc(123.15,99.36) 123.14,99.32 123.14,99.19 arc(123.15,99.15) 123.17,99.11 v1(123.31,98.98)
